# KiCad board hall effect keyboard.kicad_pcb (continued)
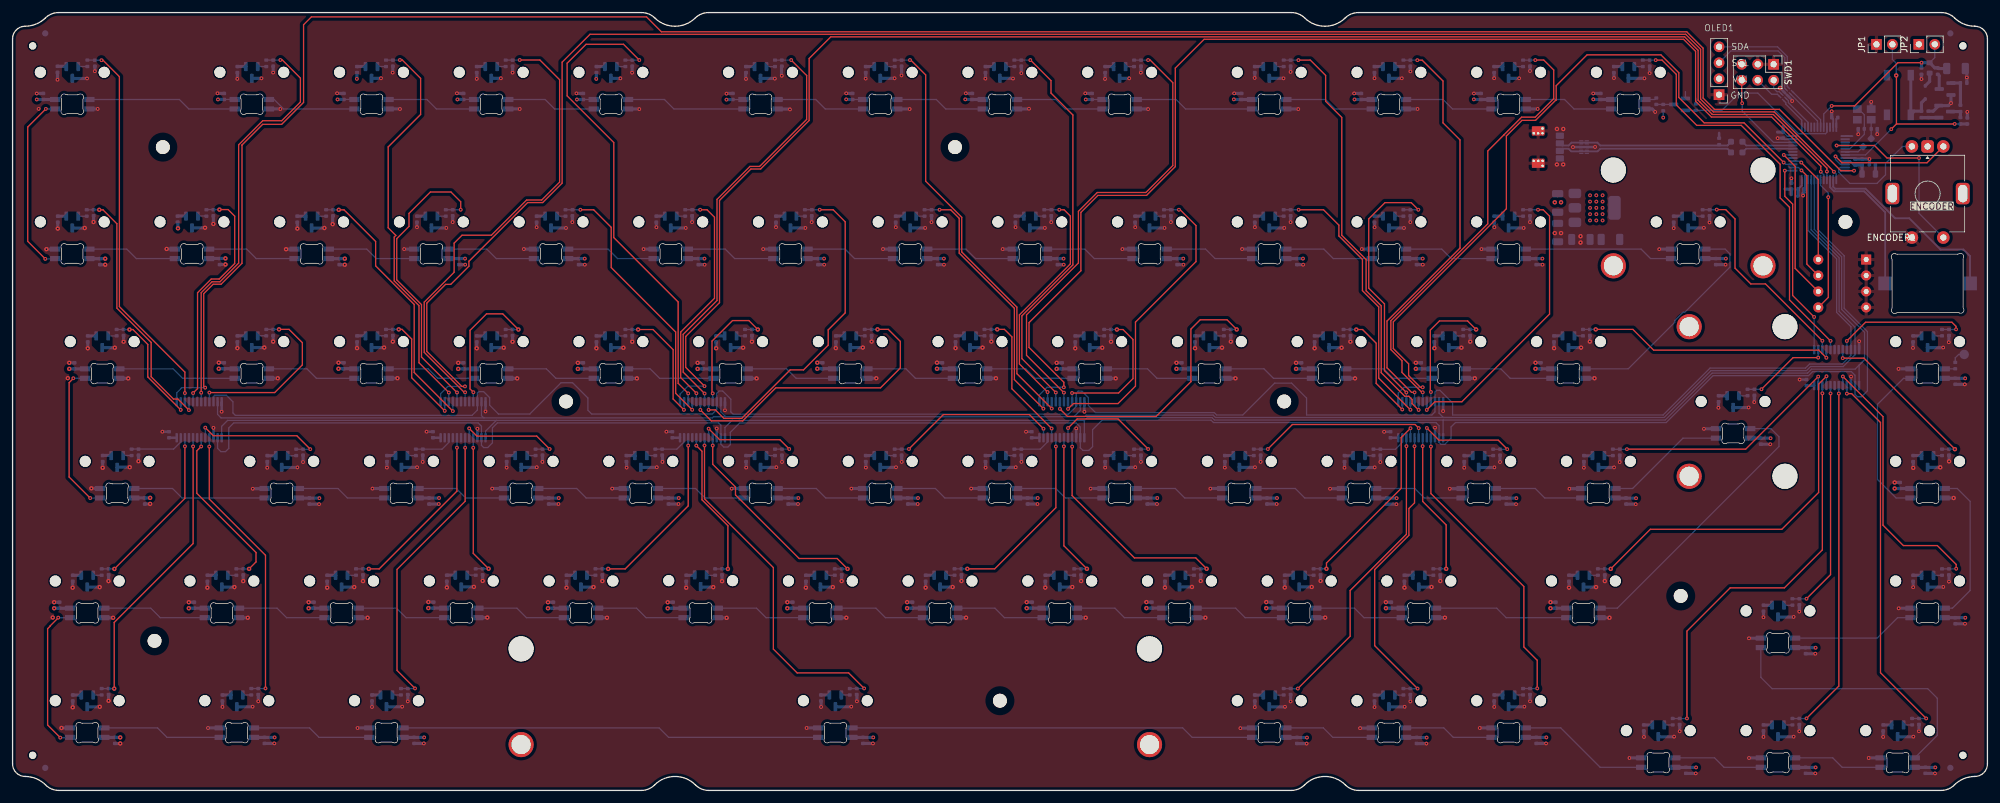
[diagram p0: board, top side]
## Nets (continued)
/multiplexers/keys/KEYS_1_6: C40.1 R20.2 U7.8
/multiplexers/keys/KEYS_1_7: C42.1 R21.2 U8.2
/multiplexers/keys/KEYS_1_8: C44.1 R22.2 U8.3
/multiplexers/keys/KEYS_1_9: C46.1 R23.2 U8.8
/multiplexers/keys/KEYS_1_10: C48.1 R24.2 U9.4
/multiplexers/keys/KEYS_1_11: C50.1 R25.2 U9.3
/multiplexers/keys/KEYS_1_12: C52.1 R26.2 U9.8
/multiplexers/keys/KEYS_1_13: C54.1 R27.2 U10.3
/multiplexers/keys/KEYS_2_0: C56.1 R28.2 U5.2
/multiplexers/keys/KEYS_2_1: C58.1 R29.2 U5.9
/multiplexers/keys/KEYS_2_2: C60.1 R30.2 U6.2
/multiplexers/keys/KEYS_2_3: C62.1 R31.2 U6.9
/multiplexers/keys/KEYS_2_4: C64.1 R32.2 U7.2
/multiplexers/keys/KEYS_2_5: C66.1 R33.2 U7.9
/multiplexers/keys/KEYS_2_6: C68.1 R34.2 U7.6
/multiplexers/keys/KEYS_2_7: C70.1 R35.2 U8.21
/multiplexers/keys/KEYS_2_8: C72.1 R36.2 U8.9
/multiplexers/keys/KEYS_2_9: C74.1 R37.2 U8.6
/multiplexers/keys/KEYS_2_10: C76.1 R38.2 U9.2
/multiplexers/keys/KEYS_2_11: C78.1 R39.2 U9.9
/multiplexers/keys/KEYS_2_12: C80.1 R40.2 U10.4
/multiplexers/keys/KEYS_2_13: C82.1 R41.2 U10.2
/multiplexers/keys/KEYS_2_14: C84.1 R42.2 U10.9
/multiplexers/keys/KEYS_3_0: C86.1 R43.2 U5.23
/multiplexers/keys/KEYS_3_1: C88.1 R44.2 U5.17
/multiplexers/keys/KEYS_3_2: C90.1 R45.2 U6.22
/multiplexers/keys/KEYS_3_3: C92.1 R46.2 U6.17
/multiplexers/keys/KEYS_3_4: C94.1 R47.2 U7.23
/multiplexers/keys/KEYS_3_5: C96.1 R48.2 U7.17
/multiplexers/keys/KEYS_3_6: C98.1 R49.2 U8.23
/multiplexers/keys/KEYS_3_7: C100.1 R50.2 U8.22
/multiplexers/keys/KEYS_3_8: C102.1 R51.2 U8.17
/multiplexers/keys/KEYS_3_9: C104.1 R52.2 U9.19
/multiplexers/keys/KEYS_3_10: C106.1 R53.2 U9.23
/multiplexers/keys/KEYS_3_11: C108.1 R54.2 U9.17
/multiplexers/keys/KEYS_3_12: C110.1 R55.2 U10.23
/multiplexers/keys/KEYS_3_13: C112.1 R56.2 U10.8
/multiplexers/keys/KEYS_4_0: C114.1 R57.2 U5.22
/multiplexers/keys/KEYS_4_1: C116.1 R58.2 U5.18
/multiplexers/keys/KEYS_4_2: C118.1 R59.2 U6.20
/multiplexers/keys/KEYS_4_3: C120.1 R60.2 U6.16
/multiplexers/keys/KEYS_4_4: C122.1 R61.2 U7.22
/multiplexers/keys/KEYS_4_5: C124.1 R62.2 U7.20
/multiplexers/keys/KEYS_4_6: C126.1 R63.2 U7.16
/multiplexers/keys/KEYS_4_7: C128.1 R64.2 U8.20
/multiplexers/keys/KEYS_4_8: C130.1 R65.2 U8.18
/multiplexers/keys/KEYS_4_9: C132.1 R66.2 U8.16
/multiplexers/keys/KEYS_4_10: C134.1 R67.2 U9.21
/multiplexers/keys/KEYS_4_11: C136.1 R68.2 U9.18
/multiplexers/keys/KEYS_4_12: C138.1 R69.2 U10.21
/multiplexers/keys/KEYS_4_13: C140.1 R70.2 U10.17
/multiplexers/keys/KEYS_4_14: C142.1 R71.2 U10.20
/multiplexers/keys/KEYS_5_0: C144.1 R72.2 U5.20
/multiplexers/keys/KEYS_5_1: C146.1 R73.2 U5.16
/multiplexers/keys/KEYS_5_2: C148.1 R74.2 U6.18
/multiplexers/keys/KEYS_5_3: C150.1 R75.2 U7.18
/multiplexers/keys/KEYS_5_4: C152.1 R76.2 U9.22
/multiplexers/keys/KEYS_5_5: C154.1 R77.2 U9.20
/multiplexers/keys/KEYS_5_6: C156.1 R78.2 U9.16
/multiplexers/keys/KEYS_5_7: C158.1 R79.2 U10.22
/multiplexers/keys/KEYS_5_8: C160.1 R80.2 U10.18
/multiplexers/keys/KEYS_5_9: C162.1 R81.2 U10.16
/OSC_IN: C172.1 U1.5 Y1.1
/OSC_OUT: R87.2 U1.6
/out_esr: C170.2 R83.1
/reset/switch: D1.2 R93.2 SW1.2
/rgb_led/RGB_DATA_IN: LED1.4 R97.2
/rgb_led/sk6812mini-e1/Dout: LED2.2 LED3.4
/rgb_led/sk6812mini-e2/Dout: LED3.2 LED4.4
/rgb_led/sk6812mini-e3/Dout: LED4.2 LED5.4
/rgb_led/sk6812mini-e4/Dout: LED5.2 LED6.4
/rgb_led/sk6812mini-e5/Dout: LED6.2 LED7.4
/rgb_led/sk6812mini-e6/Dout: LED7.2 LED8.4
/rgb_led/sk6812mini-e7/Dout: LED8.2 LED9.4
/rgb_led/sk6812mini-e8/Dout: LED9.2 LED10.4
/rgb_led/sk6812mini-e10/Din: LED10.2 LED11.4
/rgb_led/sk6812mini-e10/Dout: LED11.2 LED12.4
/rgb_led/sk6812mini-e11/Dout: LED12.2 LED13.4
/rgb_led/sk6812mini-e13/Dout: LED28.2 LED29.4
/rgb_led/sk6812mini-e14/Dout: LED29.2 LED30.4
/rgb_led/sk6812mini-e15/Dout: LED30.2 LED31.4
/rgb_led/sk6812mini-e16/Dout: LED31.2 LED32.4
/rgb_led/sk6812mini-e17/Dout: LED32.2 LED33.4
/rgb_led/sk6812mini-e18/Dout: LED33.2 LED34.4
/rgb_led/sk6812mini-e19/Dout: LED34.2 LED35.4
/rgb_led/sk6812mini-e20/Dout: LED35.2 LED36.4
/rgb_led/sk6812mini-e21/Dout: LED36.2 LED37.4
/rgb_led/sk6812mini-e22/Dout: LED37.2 LED38.4
/rgb_led/sk6812mini-e23/Dout: LED38.2 LED39.4
/rgb_led/sk6812mini-e24/Dout: LED39.2 LED40.4
/rgb_led/sk6812mini-e27/Dout: LED55.2 LED56.4
/rgb_led/sk6812mini-e28/Dout: LED56.2 LED57.4
/rgb_led/sk6812mini-e29/Dout: LED57.2 LED58.4
/rgb_led/sk6812mini-e30/Dout: LED58.2 LED59.4
/rgb_led/sk6812mini-e31/Dout: LED59.2 LED60.4
/rgb_led/sk6812mini-e32/Dout: LED60.2 LED61.4
/rgb_led/sk6812mini-e33/Dout: LED61.2 LED62.4
/rgb_led/sk6812mini-e34/Dout: LED62.2 LED63.4
/rgb_led/sk6812mini-e35/Dout: LED63.2 LED64.4
/rgb_led/sk6812mini-e36/Dout: LED64.2 LED65.4
/rgb_led/sk6812mini-e37/Dout: LED65.2 LED66.4
/rgb_led/sk6812mini-e38/Dout: LED66.2 LED67.4
/rgb_led/sk6812mini-e-rot1/Dout: LED15.2 LED16.4
/rgb_led/sk6812mini-e-rot2/Dout: LED16.2 LED17.4
/rgb_led/sk6812mini-e-rot3/Dout: LED17.2 LED18.4
/rgb_led/sk6812mini-e-rot4/Dout: LED18.2 LED19.4
/rgb_led/sk6812mini-e-rot5/Dout: LED19.2 LED20.4
/rgb_led/sk6812mini-e-rot6/Dout: LED20.2 LED21.4
/rgb_led/sk6812mini-e-rot7/Dout: LED21.2 LED22.4
/rgb_led/sk6812mini-e-rot8/Dout: LED22.2 LED23.4
/rgb_led/sk6812mini-e-rot10/Din: LED23.2 LED24.4
/rgb_led/sk6812mini-e-rot10/Dout: LED24.2 LED25.4
/rgb_led/sk6812mini-e-rot11/Dout: LED25.2 LED26.4
/rgb_led/sk6812mini-e-rot12/Dout: LED26.2 LED27.4
/rgb_led/sk6812mini-e-rot13/Dout: LED27.2 LED28.4
/rgb_led/sk6812mini-e-rot14/Din: LED41.2 LED42.4
/rgb_led/sk6812mini-e-rot14/Dout: LED42.2 LED43.4
/rgb_led/sk6812mini-e-rot15/Dout: LED43.2 LED44.4
/rgb_led/sk6812mini-e-rot16/Dout: LED44.2 LED45.4
/rgb_led/sk6812mini-e-rot17/Dout: LED45.2 LED46.4
/rgb_led/sk6812mini-e-rot18/Dout: LED46.2 LED47.4
/rgb_led/sk6812mini-e-rot19/Dout: LED47.2 LED48.4
/rgb_led/sk6812mini-e-rot20/Dout: LED48.2 LED49.4
/rgb_led/sk6812mini-e-rot21/Dout: LED49.2 LED50.4
/rgb_led/sk6812mini-e-rot22/Dout: LED50.2 LED51.4
/rgb_led/sk6812mini-e-rot23/Dout: LED51.2 LED52.4
/rgb_led/sk6812mini-e-rot24/Dout: LED52.2 LED53.4
/rgb_led/sk6812mini-e-rot25/Dout: LED53.2 LED54.4
/rgb_led/sk6812mini-e-rot26/Dout: LED54.2 LED55.4
/rgb_led/sk6812mini-e-rot27/Din: LED67.2 LED68.4
/rgb_led/sk6812mini-e-rot27/Dout: LED68.2 LED69.4
/rgb_led/sk6812mini-e-rot28/Dout: LED69.2 LED70.4
/rgb_led/sk6812mini-e-rot29/Dout: LED70.2 LED71.4
/rgb_led/sk6812mini-e-rot30/Dout: LED71.2 LED72.4
/rgb_led/sk6812mini-e-rot31/Dout: LED72.2 LED73.4
/rgb_led/sk6812mini-e-rot32/Dout: LED73.2 LED74.4
/rgb_led/sk6812mini-e-rot33/Dout: LED74.2 LED75.4
/rgb_led/sk6812mini-e-rot34/Dout: LED75.2 LED76.4
/rgb_led/sk6812mini-e-rot35/Dout: LED76.2 LED77.4
/rgb_led/sk6812mini-e-rot36/Dout: LED77.2 LED78.4
/rgb_led/sk6812mini-e-rot37/Dout: LED78.2 LED79.4
/rgb_led/sk6812mini-e-rot38/Din: LED40.2 LED41.4
/rgb_led/sk6812mini-e-rot39/Dout: LED79.2 LED80.4
/rgb_led/sk6812mini-e-rot40/Din: LED80.2 LED81.4
/rgb_led/sk6812mini-e-rot40/Dout: LED81.2 R96.2
/rgb_led/sk6812mini-e-rot/Din: LED13.2 LED14.4
/rgb_led/sk6812mini-e-rot/Dout: LED14.2 LED15.4
/rgb_led/sk6812mini-e/Dout: LED1.2 LED2.4
/S0: U1.22 U5.10 U6.10 U7.10 U8.10 U9.10 U10.10
/S1: U1.21 U5.11 U6.11 U7.11 U8.11 U9.11 U10.11
/S2: U1.19 U5.14 U6.14 U7.14 U8.14 U9.14 U10.14
/S3: U1.20 U5.13 U6.13 U7.13 U8.13 U9.13 U10.13
/SW_DIP_0: SW2.8 U1.28
/SW_DIP_1: SW2.7 U1.26
/SW_DIP_2: SW2.6 U1.30
/SW_DIP_3: SW2.5 U1.18
/SWCLK: SWD1.4 U1.37 U3.1 U3.10
/SWDIO: SWD1.6 U1.34
/SWO: SWD1.2 U1.39 U3.2 U3.9
/TIM8_CH1: Q1.2 R99.1 U1.45
/UDB_D+: R84.1 R86.1 U4.1 U4.2 U4.9 U4.10 USB1.3
/UDB_D-: R85.1 U4.4 U4.5 U4.6 U4.7 USB1.2
/USB_D+: R86.2 U1.33
/USB_D-: R85.2 U1.32
/~{RESET}: C174.1 JP1.2 R95.1 U1.7
Net-(C171-Pad1): C171.1 R87.1 Y1.3
Net-(D1-K): D1.1 R88.1
Net-(HALL1-VOUT): HALL1.3 R1.1
Net-(HALL2-VOUT): HALL2.3 R2.1
Net-(HALL3-VOUT): HALL3.3 R3.1
Net-(HALL4-VOUT): HALL4.3 R4.1
Net-(HALL5-VOUT): HALL5.3 R5.1
Net-(HALL6-VOUT): HALL6.3 R6.1
Net-(HALL7-VOUT): HALL7.3 R7.1
Net-(HALL8-VOUT): HALL8.3 R8.1
Net-(HALL9-VOUT): HALL9.3 R9.1
Net-(HALL10-VOUT): HALL10.3 R10.1
Net-(HALL11-VOUT): HALL11.3 R11.1
Net-(HALL12-VOUT): HALL12.3 R12.1
Net-(HALL13-VOUT): HALL13.3 R13.1
Net-(HALL14-VOUT): HALL14.3 R14.1
Net-(HALL15-VOUT): HALL15.3 R15.1
Net-(HALL16-VOUT): HALL16.3 R16.1
Net-(HALL17-VOUT): HALL17.3 R17.1
Net-(HALL18-VOUT): HALL18.3 R18.1
Net-(HALL19-VOUT): HALL19.3 R19.1
Net-(HALL20-VOUT): HALL20.3 R20.1
Net-(HALL21-VOUT): HALL21.3 R21.1
Net-(HALL22-VOUT): HALL22.3 R22.1
Net-(HALL23-VOUT): HALL23.3 R23.1
Net-(HALL24-VOUT): HALL24.3 R24.1
Net-(HALL25-VOUT): HALL25.3 R25.1
Net-(HALL26-VOUT): HALL26.3 R26.1
Net-(HALL27-VOUT): HALL27.3 R27.1
Net-(HALL28-VOUT): HALL28.3 R28.1
Net-(HALL29-VOUT): HALL29.3 R29.1
Net-(HALL30-VOUT): HALL30.3 R30.1
Net-(HALL31-VOUT): HALL31.3 R31.1
Net-(HALL32-VOUT): HALL32.3 R32.1
Net-(HALL33-VOUT): HALL33.3 R33.1
Net-(HALL34-VOUT): HALL34.3 R34.1
Net-(HALL35-VOUT): HALL35.3 R35.1
Net-(HALL36-VOUT): HALL36.3 R36.1
Net-(HALL37-VOUT): HALL37.3 R37.1
Net-(HALL38-VOUT): HALL38.3 R38.1
Net-(HALL39-VOUT): HALL39.3 R39.1
Net-(HALL40-VOUT): HALL40.3 R40.1
Net-(HALL41-VOUT): HALL41.3 R41.1
Net-(HALL42-VOUT): HALL42.3 R42.1
Net-(HALL43-VOUT): HALL43.3 R43.1
Net-(HALL44-VOUT): HALL44.3 R44.1
Net-(HALL45-VOUT): HALL45.3 R45.1
Net-(HALL46-VOUT): HALL46.3 R46.1
Net-(HALL47-VOUT): HALL47.3 R47.1
Net-(HALL48-VOUT): HALL48.3 R48.1
Net-(HALL49-VOUT): HALL49.3 R49.1
Net-(HALL50-VOUT): HALL50.3 R50.1
Net-(HALL51-VOUT): HALL51.3 R51.1
Net-(HALL52-VOUT): HALL52.3 R52.1
Net-(HALL53-VOUT): HALL53.3 R53.1
Net-(HALL54-VOUT): HALL54.3 R54.1
Net-(HALL55-VOUT): HALL55.3 R55.1
Net-(HALL56-VOUT): HALL56.3 R56.1
Net-(HALL57-VOUT): HALL57.3 R57.1
Net-(HALL58-VOUT): HALL58.3 R58.1
Net-(HALL59-VOUT): HALL59.3 R59.1
Net-(HALL60-VOUT): HALL60.3 R60.1
Net-(HALL61-VOUT): HALL61.3 R61.1
Net-(HALL62-VOUT): HALL62.3 R62.1
Net-(HALL63-VOUT): HALL63.3 R63.1
Net-(HALL64-VOUT): HALL64.3 R64.1
Net-(HALL65-VOUT): HALL65.3 R65.1
Net-(HALL66-VOUT): HALL66.3 R66.1
Net-(HALL67-VOUT): HALL67.3 R67.1
Net-(HALL68-VOUT): HALL68.3 R68.1
Net-(HALL69-VOUT): HALL69.3 R69.1
Net-(HALL70-VOUT): HALL70.3 R70.1
Net-(HALL71-VOUT): HALL71.3 R71.1
Net-(HALL72-VOUT): HALL72.3 R72.1
Net-(HALL73-VOUT): HALL73.3 R73.1
Net-(HALL74-VOUT): HALL74.3 R74.1
Net-(HALL75-VOUT): HALL75.3 R75.1
Net-(HALL76-VOUT): HALL76.3 R76.1
Net-(HALL77-VOUT): HALL77.3 R77.1
Net-(HALL78-VOUT): HALL78.3 R78.1
Net-(HALL79-VOUT): HALL79.3 R79.1
Net-(HALL80-VOUT): HALL80.3 R80.1
Net-(HALL81-VOUT): HALL81.3 R81.1
Net-(Q1-D): Q1.3 R97.1 R98.1
Net-(Q2-D): Q2.3 R90.2
Net-(Q2-G): Q2.1 R91.1 R92.1
Net-(Q3-D): Q3.3 R92.2 R95.2
Net-(Q3-G): Q3.1 R93.1 R94.1
Net-(R96-Pad1): R96.1 TP1.1

Pads without a net: ENCODER1 MP; U1 2 3 29 31 38 40 41 46; U5 6 8 19 21; U6 6 8 19 21 23; U7 19 21; U8 19; U10 6 7 19

## Via types
v1: diameter 0.6, hole 0.3, Top to Bottom, 495 vias
v2: diameter 0.7, hole 0.3, Top to Bottom, 237 vias

## Routing (per net, layer and track width the routed paths; a pad name or vN(x,y) marks a point on that pad's centre or on a via; arc(x,y) is an arc through that point)
+3V3: length 135.4
  Bottom w0.2: U1.36 282.43,104.14 C176.1 ; R99.2 267.9,110.19 ; Q1.1 266.24,111.21 ; 285.5,64.43 C168.1 ; 8.52,115.25 8.58,115.18
  Bottom w0.3: U1.48 290.25,106.86 C177.1 ; U1.1 292.81,104.14 ; C175.1 284.75,96.28 U1.24
  Bottom w0.4: U7.24 C165.1 ; U9.24 C167.1 ; R84.2 271.6,104.64 ; U8.24 C166.1 ; U10.24 285.5,64.43 ; U5.24 C163.1 ; U6.24 C164.1
  Bottom w0.5: 137.16,53.29 135.81,53.29 ; 232.38,53.27 231.03,53.27 ; 46.67,91.38 45.32,91.38 ; 156.21,53.29 154.86,53.29 ; 208.56,72.33 207.21,72.33 ; 303.84,53.3 302.49,53.3 ; 260.98,10.42 259.63,10.42 ; 15.69,53.31 14.34,53.31 ; C175.1 284.16,94.63 284.08,94.55 ; 70.47,34.27 69.12,34.27 ; 75.22,72.33 73.87,72.33 ; 246.68,72.35 245.32,72.35 ; 108.56,34.23 107.21,34.23 ; 213.33,53.27 211.98,53.27 ; 92.91,114.25 92.91,113.26 ; 56.16,115.22 54.81,115.22 ; 151.42,72.36 150.07,72.36 ; 222.87,34.25 221.52,34.25 ; 122.84,91.39 121.49,91.39 ; 303.83,34.24 302.48,34.24 ; 130.03,15.19 128.68,15.19 ; HALL13.1 C25.1 ; 283.1,94.83 C178.1 282.08,95.69 ; 94.27,72.33 92.92,72.33 ; 10.91,34.23 9.57,34.23 ; HALL17.1 C33.1 ; 237.16,15.19 235.81,15.19 ; 27.67,91.42 26.33,91.42 ; 175.23,53.29 173.88,53.29 ; 165.7,34.25 164.35,34.25 ; 251.43,53.27 250.08,53.27 ; 89.51,34.24 88.16,34.24 ; 8.54,91.38 7.19,91.38 ; 160.96,91.39 159.61,91.39 ; C23.1 HALL12.1 ; 10.93,15.18 9.58,15.18 ; 203.82,34.26 202.47,34.26 ; 94.26,115.21 92.91,115.21 ; 56.17,72.36 54.82,72.36 ; 199.06,15.17 197.71,15.17 ; 218.11,15.17 216.76,15.17 ; 127.6,34.24 126.25,34.24 ; 113.32,72.33 111.97,72.33 ; 180.01,91.39 178.66,91.39 ; 84.75,91.39 83.4,91.39 ; 103.81,91.39 102.46,91.39 ; HALL7.1 C13.1 ; 280.89,104.77 C176.1 281.8,105.72 ; C181.1 FB1.2 ; 199.05,115.21 C19.1 ; 272.84,62.81 271.49,62.81 ; 280.01,10.42 278.66,10.42 ; 34.76,15.19 33.41,15.19 ; 75.24,115.22 73.89,115.22 ; 218.1,115.21 C21.1 ; 54.81,114.26 54.81,113.27 ; 41.88,53.27 40.53,53.27 ; 37.13,115.22 35.78,115.22 ; 199.06,91.39 197.71,91.39 ; 99.08,53.29 97.73,53.29 ; 60.93,53.29 59.58,53.29 ; 132.37,72.36 131.02,72.36 ; 118.11,53.29 116.76,53.29 ; 58.56,15.19 57.21,15.19 ; 141.91,91.39 140.56,91.39 ; 13.32,72.33 11.97,72.33 ; 194.28,53.29 192.93,53.29 ; 170.47,72.33 169.12,72.33 ; 37.12,72.36 35.77,72.36 ; 51.42,34.24 50.07,34.24 ; 280.01,29.47 278.66,29.47 ; 303.81,72.34 302.46,72.34 ; 32.35,34.24 31,34.24 ; 218.11,91.39 216.76,91.39 ; HALL9.1 C17.1 ; HALL8.1 C15.1 ; 79.98,53.29 78.63,53.29 ; 237.16,91.39 235.81,91.39 ; 184.75,34.26 183.4,34.26 ; HALL27.1 C53.1 ; 299.06,10.42 297.71,10.42 ; C1.1 8.52,115.25 ; 249.06,34.24 247.71,34.24 ; 26.33,90.46 v2(26.33,89.46) ; 189.54,72.34 188.19,72.34 ; 146.66,34.25 145.31,34.25 ; 227.63,72.34 226.29,72.34 ; 118.02,115.19 116.67,115.19
  vias: v1(54.79,113.25) v1(92.89,113.24) v1(251.05,94.72) v1(251.05,93.72) v1(251.05,92.72) v1(251.05,91.72) v1(251.05,90.72) v1(252.05,94.72) v1(252.05,93.72) v1(252.05,92.72) v1(252.05,91.72) v1(252.05,90.72) v1(253.05,94.72) v1(253.05,93.72) v1(253.05,92.72) v1(253.05,91.72) v1(253.05,90.72)
+5V: length 227.4
  Bottom w0.2: v1(272.67,84.64) 272.67,84.64 ; 194.4,109.97 v1(194.37,109.99) ; 132.7,109.97 v1(132.67,109.99) ; C188.1 LED7.1 ; 213.58,109.97 v1(213.57,109.97) ; 92.48,109.96 90.81,109.96 ; 6.77,109.97 6.77,109.97 ; 151.65,109.97 v1(151.62,109.99) ; 73.47,109.97 71.79,109.97 ; 271.07,84.64 C208.1 ; 35.36,109.97 33.68,109.97 ; R98.2 v1(262.7,107.08) ; LED5.1 C186.1 ; 170.77,109.99 v1(170.8,109.97) ; 114.57,109.95 116.25,109.95 ; 54.39,109.97 52.71,109.97 ; 72.01,84.64 v1(72.01,84.64)
  Bottom w0.5: v2(147.12,67.12) 149.6,67.12 ; v2(47.12,28.99) 49.59,28.99 ; 306,3.66 302.73,3.66 ; 217.01,46.51 220.27,46.51 ; 178.91,46.54 182.17,46.54 ; 194.4,109.97 C185.1 LED4.1 ; v2(142.36,29) 144.83,29 ; 71.79,109.97 v1(70.8,109.97) ; v2(244.76,28.99) 247.24,28.99 ; v2(185.24,67.1) 187.71,67.1 ; 236.06,46.51 239.32,46.51 ; 125.05,46.54 121.78,46.54 ; LED17.1 C198.1 72.01,84.64 ; v2(52.87,84.63) 50.4,84.63 ; 151.65,109.97 C187.1 LED6.1 ; 65.5,8.44 62.23,8.44 ; v2(223.34,67.1) 225.81,67.1 ; v2(166.17,67.09) 168.64,67.09 ; 283.68,22.71 286.95,22.71 ; 272.67,84.64 C208.1 ; 45.56,46.51 48.82,46.51 ; v2(32.82,67.12) 35.3,67.12 ; 202.73,8.41 206,8.41 ; 125.77,28.99 v2(123.3,28.99) ; 186.31,84.64 183.68,84.64 ; 129.14,84.64 126.51,84.64 ; LED27.1 271.07,84.64 ; 111.49,67.09 v2(109.02,67.09) ; 148.21,84.64 145.58,84.64 ; 68.64,29.02 v2(66.17,29.02) ; 240.83,84.64 243.47,84.64 ; C186.1 v1(170.8,109.97) ; 64.61,46.54 67.87,46.54 ; 52.71,109.97 v1(51.72,109.97) ; 102.76,46.54 106.02,46.54 ; v2(17.13,8.43) 14.66,8.43 ; 86.92,46.54 83.66,46.54 ; 144.1,46.54 140.83,46.54 ; LED3.1 C184.1 213.58,109.97 ; 130.55,67.12 v2(128.07,67.12) ; 286.95,3.66 283.68,3.66 ; 133.71,8.44 136.97,8.44 ; 240.83,8.44 244.1,8.44 ; 201.22,46.54 197.96,46.54 ; 302.02,48.05 v2(299.54,48.05) ; v2(104.26,28.98) 106.73,28.98 ; 307.48,65.59 310.75,65.59 ; 264.66,3.66 267.92,3.66 ; LED1.1 C182.1 251.6,109.97 v1(251.57,109.99) ; v2(51.87,67.12) 54.34,67.12 ; 164.63,84.64 167.26,84.64 ; 91.05,84.64 88.42,84.64 ; 11.5,67.09 v2(9.02,67.09) ; 114.57,109.95 113.58,109.95 ; LED2.1 C183.1 232.6,109.97 v1(232.57,109.99) ; v2(70.92,67.09) 73.39,67.09 ; v2(89.97,67.09) 92.45,67.09 ; 205.37,84.64 202.73,84.64 ; 107.48,84.64 110.11,84.64 ; v2(204.26,67.09) 206.74,67.09 ; 244.85,67.11 v2(242.38,67.11) ; v2(85.21,28.99) 87.68,28.99 ; 258.37,46.51 255.11,46.51 ; 221.78,8.41 225.05,8.41 ; v2(180.45,29.01) 182.93,29.01 ; 163.15,46.54 159.88,46.54 ; v2(28.05,28.99) 30.53,28.99 ; 12.27,84.63 v2(14.74,84.63) ; 90.81,109.96 v1(89.82,109.96) ; 279.78,56.05 276.52,56.05 ; 202,29.01 v2(199.52,29.01) ; 9.09,28.99 v2(6.62,28.99) ; 6.77,109.97 C194.1 v1(3.85,109.97) ; 221.05,29 v2(218.57,29) ; v2(33.88,84.67) 31.4,84.67 ; C188.1 132.7,109.97 ; 163.88,29 v2(161.4,29) ; 224.42,84.64 221.78,84.64 ; 310.77,27.49 307.51,27.49 ; 41.7,8.44 38.43,8.44 ; 19.41,46.56 v2(21.89,46.56) ; 33.68,109.97 v1(32.69,109.97)
  vias: v1(41.7,8.44) v1(48.83,46.51) v1(65.5,8.44) v1(67.88,46.54) v1(86.93,46.54) v1(91.06,84.64) v1(106.03,46.54) v1(110.12,84.64) v1(113.62,109.94) v1(125.05,46.54) v1(129.15,84.64) v1(136.98,8.44) v1(144.1,46.54) v1(148.22,84.64) v1(163.15,46.54) v1(167.27,84.64) v1(182.18,46.54) v1(186.32,84.64) v1(201.23,46.54) v1(205.37,84.64) v1(206,8.41) v1(220.28,46.51) v1(224.42,84.64) v1(225.05,8.41) v1(239.33,46.51) v1(243.47,84.64) v1(244.1,8.44) v1(258.38,46.51) v1(267.93,3.66) v1(279.79,56.05) v1(286.95,22.71) v1(286.95,3.66) v1(306,3.66) v1(310.75,65.59) v1(310.78,27.49) v2(245.44,93.6) v2(246.44,93.6)
GND: length 675.9
  Top w0.2: v1(62.32,86.16) 62.4,86.24
  In1.Cu w0.5: 303.92,105.19 304.85,104.27 304.85,102.54 ; 291.77,83.94 292.37,84.54 295.07,84.54 ; 295.07,76.92 292.65,76.92 ; 292.27,81.64 292.63,82 295.07,82 ; 271.66,110.78 271.66,108.93 271.42,108.69 ; 277.81,115.62 277.81,117.41 276.97,118.24 ; 292.17,78.94 292.69,79.46 295.07,79.46 ; 302.35,88.04 302.35,89.97 301.47,90.84 ; 296.71,118.79 296.71,116.48 296.17,115.94 ; 280.35,115.62 280.35,117.37 279.57,118.14
  In2.Cu w0.5: 304.85,102.54 304.85,104.07 303.97,104.94 ; 295.07,76.92 291.95,76.92 291.67,76.64 ; 295.07,79.46 292.39,79.46 291.87,78.94 ; 276.47,118.64 277.81,117.31 277.81,115.62 ; 271.66,110.78 271.66,109.03 270.97,108.34 ; 296.71,118.79 296.71,116.58 295.57,115.44 ; 295.07,84.54 292.57,84.54 292.17,84.14 ; 279.27,118.74 280.35,117.67 280.35,115.62 ; 291.77,81.44 292.33,82 295.07,82 ; 302.35,88.04 302.35,90.37 301.37,91.34
  Bottom w0.2: 170.74,110.93 v1(170.72,110.94) ; 194.44,110.93 v1(194.42,110.94) ; 269.15,89.52 v1(269.17,89.54) ; 73.98,57.56 v1(73.98,57.56) ; 197.7,113.41 v1(197.68,113.39) ; 204.61,108.46 v1(204.62,108.44) ; 293.1,100.64 C179.2 ; 72.03,83.68 v1(72.03,83.68) ; 242.71,108.46 v1(242.72,108.46) ; 251.56,110.93 v1(251.56,110.92) ; 70.05,90.46 v1(70.04,90.45) ; 33.28,60.29 v1(33.27,60.28) ; 75.28,60.32 v1(75.27,60.31) ; 113.65,110.93 v1(113.62,110.89) ; v1(170.58,60.27) 170.58,60.27 ; 254.85,113.39 v1(254.86,113.38) ; 262.08,86.15 v1(262.07,86.14) ; 260.55,114.17 v1(260.54,114.16) ; 104.06,57.09 v1(104.06,57.09) ; 264.38,89.5 v1(264.37,89.49) ; 227.68,60.38 v1(227.67,60.37) ; 132.69,110.93 v1(132.67,110.94) ; 23.85,57.09 v1(23.85,57.09) ; 221.09,113.33 v1(221.1,113.34) ; 159.18,113.33 v1(159.22,113.29) ; U3.3 281.98,111.1 ; 213.52,110.93 v1(213.51,110.93) ; 141.49,113.81 v1(141.47,113.79) ; 177.72,113.34 v1(177.71,113.33) ; 140.36,113.33 v1(140.37,113.34) ; 142.76,108.46 v1(142.77,108.44) ; 11.84,113.31 v1(11.85,113.32) ; 64.35,89.65 v1(64.36,89.64) ; 112.08,57.6 v1(112.07,57.6) ; 235.8,113.36 v1(235.79,113.35) ; 284.41,65.39 v1(284.41,65.39) ; 151.74,110.93 v1(151.72,110.94) ; 62.33,86.15 v1(62.32,86.16) ; 226.38,57.73 v1(226.38,57.73) ; 15.28,33.33 v2(15.27,33.32) ; 160.52,114.14 v1(160.54,114.16) ; 113.38,60.51 v1(113.38,60.5) ; 295.8,109.58 v1(295.8,109.58) ; 169.28,57.62 v1(169.28,57.62) ; 154.84,113.31 v1(154.82,113.29) ; 202.27,113.34 v1(202.26,113.33) ; 259.71,113.33 v1(259.71,113.33) ; 272.61,83.68 v1(272.62,83.69) ; 31.98,57.7 v1(31.97,57.7) ; 180.71,108.46 v1(180.72,108.44) ; 161.73,108.46 v1(161.77,108.49) ; 161.29,57.09 v1(161.29,57.09) ; 311.1,107.98 v1(311.09,107.99) ; 295.52,100.49 v1(295.52,100.49) ; 280.92,103.81 v1(280.91,103.82) ; 232.58,110.93 v1(232.58,110.92) ; 239.76,113.33 v1(239.77,113.34) ; 135.79,113.31 v1(135.77,113.29) ; 222.45,114.45 v1(222.46,114.44) ; 173.89,113.26 v1(173.87,113.24) ; v1(3.85,110.92) 3.86,110.93 ; 270.07,90.4 v1(270.07,90.39) ; 293.88,71.48 v1(293.88,71.48) ; 218.29,57.09 v1(218.28,57.08) ; v1(292.59,65.86) 292.57,65.85 ; 65.89,57.09 v1(65.89,57.09) ; 179.59,114.26 v1(179.57,114.24) ; 13.54,108.46 v1(13.55,108.47) ; 223.6,108.45 v1(223.6,108.46)
  Bottom w0.3: U1.35 281.97,103.64 C176.2 ; 289.52,107.88 C177.2 289.75,106.86 U1.47 ; U1.8 293.1,100.64 ; C175.2 285.25,95.82 U1.23
  Bottom w0.4: U8.15 169.28,57.62 ; C163.2 23.85,57.09 ; U9.15 226.38,57.73 ; C167.2 218.29,57.09 ; C165.2 104.06,57.09 ; v1(251.85,102.41) 251.83,102.39 U4.3 ; 227.68,61.85 227.68,60.38 ; C164.2 65.89,57.09 ; U7.15 112.08,57.6 ; U10.12 293.88,71.48 ; U4.8 v1(248.34,102.39) ; v2(281.29,111.79) 281.98,111.1 ; 292.57,65.85 U10.15 ; C166.2 161.29,57.09 ; 170.58,60.27 170.58,61.85 ; 113.38,61.85 113.38,60.51 ; 33.28,61.85 33.28,60.29 ; v1(283.22,109.72) 283.29,109.79 283.29,109.79 U3.8 ; U6.15 73.98,57.56 ; U5.15 31.98,57.7 ; 75.28,61.85 75.28,60.32 ; C168.2 284.41,65.39
  Bottom w0.5: v2(185.24,68.06) 186.08,68.06 ; 135.81,52.33 135.81,51.39 ; HALL7.2 140.36,113.33 ; 69.12,33.31 v2(69.12,32.31) ; v2(97.22,70.46) 95.22,70.46 ; 254.15,27.48 252.79,27.48 ; C188.2 132.69,110.93 ; 142.86,89.52 v1(145.24,89.52) ; v2(13.88,13.31) 11.88,13.31 ; 161.56,45.58 163.1,45.58 ; 97.31,48.05 95.44,48.05 ; 185.36,83.68 186.33,83.68 ; v1(284.96,94.68) 284.96,95.04 285.12,95.2 C175.2 ; 80.93,51.42 83.41,51.42 ; 204.41,83.68 205.38,83.68 ; C198.2 72.03,83.68 ; v2(32.82,68.08) 33.67,68.08 ; 199.63,45.58 201.17,45.58 ; 238.11,89.52 v1(240.49,89.52) ; v2(142.36,29.96) 143.21,29.96 ; C33.2 64.35,89.65 ; v2(199.52,29.97) 200.37,29.97 ; 249.66,48.02 247.79,48.02 ; v1(261.42,107.98) 260.95,108.46 LED1.3 ; v2(89.97,68.05) 90.82,68.05 ; 99.36,65.58 97.99,65.58 ; 178.66,90.43 178.66,89.65 ; C34.2 70.05,90.46 ; 78.92,108.46 80.71,108.46 ; 207.21,71.37 v2(207.21,70.37) ; v2(47.12,29.95) 47.97,29.95 ; v2(147.12,68.08) 147.97,68.08 ; 256.78,45.55 258.32,45.55 ; C19.2 197.7,113.41 ; 151.75,27.49 150.38,27.49 ; 278.66,28.51 278.66,27.57 ; 57.21,14.23 57.21,13.29 ; 302.49,52.34 v2(302.49,51.34) ; 12.23,108.46 13.54,108.46 ; v2(109.02,68.05) 109.87,68.05 ; v2(16.27,70.46) 14.27,70.46 ; 36.7,34.3 36.7,33.3 ; 271.49,61.85 271.49,60.91 ; 166.31,83.68 167.29,83.68 ; 227.96,27.49 226.6,27.49 ; v2(73.42,32.39) 71.42,32.39 ; 197.71,14.21 197.71,13.27 ; v2(223.34,68.06) 224.19,68.06 ; 159.18,86.15 157.59,86.15 ; v2(70.92,68.05) 71.77,68.05 ; 92.92,71.37 v2(92.92,70.37) ; 55.77,34.3 55.77,33.3 ; 140.13,86.15 138.54,86.15 ; 59.51,13.32 61.98,13.32 ; 183.4,33.3 v2(183.4,32.3) ; C2.2 v1(13.1,114.47) ; HALL8.2 159.18,113.33 ; 208.91,27.5 207.55,27.5 ; 203.41,15.23 203.41,14.17 ; 100.03,51.42 102.51,51.42 ; C18.2 179.59,114.26 ; v2(306.79,51.42) 304.79,51.42 ; v2(49.62,89.51) 47.62,89.51 ; 39.11,15.25 39.11,14.19 ; 242.51,83.68 243.49,83.68 ; v2(154.37,70.48) 152.37,70.48 ; 170.05,34.31 170.05,33.31 ; 89.1,91.45 89.1,90.46 ; v2(78.17,70.46) 76.17,70.46 ; 94.6,27.48 93.23,27.48 ; 203.41,91.45 203.41,90.46 ; 126.25,33.28 v2(126.25,32.28) ; 85.7,89.52 v1(88.08,89.52) ; 76.19,113.34 v1(77.72,113.34) ; 223.46,7.45 225,7.45 ; 37.44,27.48 36.08,27.48 ; 128.19,83.68 129.17,83.68 ; v2(166.17,68.05) 167.02,68.05 ; 118.41,65.58 117.05,65.58 ; 122.46,53.35 122.46,52.29 ; v2(66.17,29.98) 67.02,29.98 ; 178.23,86.15 176.64,86.15 ; 112.91,34.29 112.91,33.29 ; 235.81,14.23 235.81,13.29 ; 273.79,60.93 276.27,60.93 ; 165.31,91.45 165.31,90.46 ; v2(52.87,83.67) 52.02,83.67 ; 251.03,72.41 251.03,71.41 ; 154.86,52.33 154.86,51.39 ; 9.57,33.27 v2(9.57,32.27) ; 93.86,34.3 93.86,33.3 ; 66.28,45.58 67.82,45.58 ; v2(104.26,29.94) 105.11,29.94 ; v2(92.46,32.36) 90.46,32.36 ; C21.2 v1(216.75,113.35) ; v2(7.78,9.94) 9.11,9.94 ; 131.02,71.4 v2(131.02,70.4) ; v2(111.51,32.35) 109.51,32.35 ; 135.38,7.48 136.92,7.48 ; 62.91,15.25 62.91,14.19 ; 173.46,48.05 171.59,48.05 ; 302.48,33.28 302.48,32.34 ; 118.97,113.32 121.25,113.32 ; 131.95,34.3 131.95,33.3 ; 241.51,91.45 241.51,90.46 ; 42.21,65.61 40.84,65.61 ; LED27.3 262.08,86.15 ; v2(211.51,70.46) 209.51,70.46 ; C178.2 v1(283.1,97.43) ; R94.2 305.68,108.11 Q3.2 308.1,108.99 v1(308.5,109.39) Q2.2 ; 35.77,71.4 v2(35.77,70.4) ; 308.18,34.3 308.18,33.24 ; 104.43,45.58 105.97,45.58 ; LED7.3 142.76,108.46 ; C24.2 v1(241.5,114.5) ; 309.16,64.63 310.7,64.63 ; 9.58,14.22 v2(9.58,13.22) ; LED6.3 161.73,108.46 ; 79.57,72.39 79.57,71.39 ; 83.4,90.43 83.4,89.65 ; C183.2 232.58,110.93 ; 195.23,51.42 197.71,51.42 ; 3.86,110.93 C194.2 ; 128.68,14.23 128.68,13.29 ; 284.36,29.53 284.36,28.47 ; 18.41,65.58 17.05,65.58 ; Y1.2 295.8,109.58 ; 103.43,53.35 103.43,52.29 ; 255.78,53.33 255.78,52.27 ; v2(204.26,68.05) 205.12,68.05 ; 309.18,26.53 310.72,26.53 ; 40.81,108.46 42.6,108.46 ; C177.2 v1(289.52,108.09) ; 7.15,114.29 v1(7.15,113.12) ; 73.87,71.37 v2(73.87,70.37) ; 202.47,33.3 v2(202.47,32.3) ; 60.52,72.42 60.52,71.42 ; 236.73,53.33 236.73,52.27 ; 212.92,72.39 212.92,71.39 ; C171.2 v1(296.76,104.45) ; v2(252.01,32.36) 250.01,32.36 ; 160.56,53.35 160.56,52.29 ; 116.33,48.05 114.46,48.05 ; v2(180.45,29.97) 181.3,29.97 ; 79.59,115.28 79.59,114.27 ; 302.03,67.1 300.16,67.1 ; 297.28,5.17 295.41,5.17 ; 107.21,33.27 v2(107.21,32.27) ; 189.1,34.32 189.1,33.32 ; C187.2 151.74,110.93 ; 56.78,9.95 54.91,9.95 ; 226.29,71.38 v2(226.29,70.38) ; v2(14.74,83.67) 13.89,83.67 ; 60.51,115.28 60.51,114.27 ; 146.26,91.45 146.26,90.46 ; 40.11,7.48 41.65,7.48 ; C186.2 170.74,110.93 ; 121.06,86.15 119.47,86.15 ; 142.51,45.58 144.05,45.58 ; C30.2 v2(31.95,90.16) ; 40.11,48.02 38.24,48.02 ; C13.2 135.79,113.31 ; v2(130.55,32.36) 128.55,32.36 ; 217.68,53.33 217.68,52.27 ; 33.41,14.23 33.41,13.29 ; v2(35.3,32.36) 33.3,32.36 ; v2(24.53,86.18) 25.85,86.18 ; 119.06,51.42 121.53,51.42 ; 137.46,65.61 136.1,65.61 ; 303.41,10.48 303.41,9.42 ; C26.2 260.55,114.17 ; 12.89,91.44 12.89,90.44 ; C208.2 272.61,83.68 ; 16,27.48 14.64,27.48 ; 61.88,51.42 64.36,51.42 ; C173.2 311.02,114.65 v1(311.02,113.47) R91.2 ; 308.16,72.4 308.16,71.34 ; 278.23,5.17 276.36,5.17 ; 230.61,48.02 228.74,48.02 ; C16.2 v1(160.54,114.16) ; 98.62,72.39 98.62,71.39 ; 14.34,52.35 v2(14.34,51.35) ; 95.21,113.33 v1(96.74,113.33) ; C23.2 235.8,113.36 ; 164.35,33.29 v2(164.35,32.29) ; 219.06,89.52 v1(221.44,89.52) ; 134.38,15.25 134.38,14.19 ; 15.28,15.24 15.28,14.24 ; HALL11.2 221.09,113.33 ; v2(21.89,45.6) 21.04,45.6 ; 147.26,83.68 148.24,83.68 ; 17.67,72.39 17.67,71.39 ; C182.2 251.56,110.93 ; C185.2 194.44,110.93 ; v2(168.65,32.37) 166.65,32.37 ; 32.98,9.95 31.11,9.95 ; 157.16,51.42 159.63,51.42 ; 78.63,52.33 78.63,51.39 ; 193.88,72.4 193.88,71.4 ; C22.2 222.45,114.45 ; 47.23,45.55 48.77,45.55 ; HALL10.2 v1(202.26,113.33) ; v2(30.62,89.55) 28.62,89.55 ; 169.12,71.37 v2(169.12,70.37) ; C179.2 C180.2 v1(295.52,100.49) ; 253.41,34.3 253.41,33.3 ; C25.2 254.85,113.39 ; 175.56,65.58 174.19,65.58 ; 59.58,52.33 59.58,51.39 ; 211.56,48.02 209.69,48.02 ; v2(116.27,70.46) 114.27,70.46 ; 56.51,27.48 55.14,27.48 ; C172.2 v1(293.74,104.44) ; 116.67,114.23 116.67,113.29 ; 214.28,51.39 216.76,51.39 ; LED4.3 204.61,108.46 ; 232.72,65.59 231.36,65.59 ; 41.47,72.42 41.47,71.42 ; v2(59.12,70.48) 57.12,70.48 ; 159.61,90.43 159.61,89.65 ; v2(33.88,83.71) 33.03,83.71 ; 85.33,45.58 86.87,45.58 ; 155.77,72.42 155.77,71.42 ; 218.68,45.55 220.22,45.55 ; 200.01,89.52 v1(202.39,89.52) ; C189.2 113.65,110.93 ; v2(12.54,48.07) 13.87,48.07 ; 247.71,33.28 v2(247.71,32.28) ; 280.96,8.54 283.43,8.54 ; 54.82,71.4 v2(54.82,70.4) ; 304.41,2.7 305.95,2.7 ; 235.38,9.95 233.51,9.95 ; 57.11,113.34 v1(58.64,113.34) ; v2(17.13,7.47) 16.28,7.47 ; 42.83,51.39 45.31,51.39 ; 231.03,52.31 231.03,51.37 ; 277.19,62.87 277.19,61.81 ; 216.76,14.21 216.76,13.27 ; v2(40.07,70.48) 38.07,70.48 ; 136.72,72.42 136.72,71.42 ; 65.28,53.35 65.28,52.29 ; 174.82,72.39 174.82,71.39 ; 97.93,108.45 99.73,108.45 ; C184.2 213.52,110.93 ; 141.51,53.35 141.51,52.29 ; 63.92,86.15 62.33,86.15 ; 216.33,86.15 214.74,86.15 ; 132.69,27.48 131.32,27.48 ; 271.07,57.56 269.2,57.56 ; 242.51,7.48 244.05,7.48 ; 251.76,65.6 250.4,65.6 ; v2(123.3,29.95) 124.15,29.95 ; 80.31,65.58 78.95,65.58 ; 78.21,48.05 76.34,48.05 ; 231.99,72.4 231.99,71.4 ; v2(5.39,86.14) 6.72,86.14 ; 213.65,65.58 212.29,65.58 ; v2(128.07,68.08) 128.92,68.08 ; 135.38,48.05 133.51,48.05 ; 9.53,113.31 11.84,113.31 ; C114.2 15.28,33.33 ; 59.84,108.46 61.63,108.46 ; 194.62,65.59 193.26,65.59 ; 71.79,110.93 70.74,110.93 ; v2(218.57,29.96) 219.42,29.96 ; 97.73,52.33 97.73,51.39 ; 123.79,89.52 v1(126.17,89.52) ; 111.97,71.37 v2(111.97,70.37) ; 145.31,33.29 v2(145.31,32.29) ; R89.2 v1(303.8,113.22) ; 33.68,110.93 32.63,110.93 ; 211.98,52.31 211.98,51.37 ; 38.08,113.34 v1(39.61,113.34) ; 63.91,7.48 65.45,7.48 ; 84.33,53.35 84.33,52.29 ; 302.46,71.38 302.46,70.44 ; 222.46,91.45 222.46,90.46 ; 197.28,86.15 195.69,86.15 ; 150.07,71.4 v2(150.07,70.4) ; 108.16,91.45 108.16,90.46 ; 261.93,8.54 264.41,8.54 ; v2(54.37,32.36) 52.37,32.36 ; 188.19,71.38 v2(188.19,70.38) ; HALL12.2 239.76,113.33 ; v2(244.76,29.95) 245.61,29.95 ; 216.76,90.43 216.76,89.65 ; 11.97,71.37 v2(11.97,70.37) ; 223.46,83.68 224.44,83.68 ; 265.33,10.48 265.33,9.42 ; 140.56,90.43 140.56,89.65 ; v2(225.82,32.37) 223.82,32.37 ; 235.81,90.43 235.81,89.65 ; 259.63,9.46 259.63,8.52 ; 122.37,115.25 122.37,113.79 ; 35.71,13.32 38.18,13.32 ; v2(242.38,68.07) 243.23,68.07 ; 41.48,115.28 41.48,114.27 ; v2(9.02,68.05) 9.87,68.05 ; HALL17.2 v1(69.03,89.52) ; 117.67,72.39 117.67,71.39 ; 154.43,48.05 152.56,48.05 ; LED3.3 v1(223.6,108.46) ; 90.81,110.92 89.76,110.92 ; 20.04,53.37 20.04,52.37 ; 245.32,71.39 v2(245.32,70.39) ; 102.46,90.43 102.46,89.65 ; HALL13.2 259.71,113.33 ; 278.19,55.09 279.73,55.09 ; C14.2 141.49,113.81 ; 138.11,51.42 140.58,51.42 ; v2(11.49,89.51) 9.49,89.51 ; 73.89,114.26 73.89,113.27 ; v2(18.64,51.44) 16.64,51.44 ; v2(13.87,32.36) 11.87,32.36 ; v2(192.49,70.47) 190.49,70.47 ; 180.58,45.58 182.12,45.58 ; 31,33.28 v2(31,32.28) ; 308.19,53.36 308.19,52.36 ; 45.32,90.42 v2(45.32,89.42) ; 197.71,90.43 197.71,89.65 ; 50.95,91.42 v2(50.95,90.12) ; v2(206.77,32.38) 204.77,32.38 ; HALL27.2 269.15,89.52 ; 61.26,65.61 59.89,65.61 ; 216.33,9.92 214.46,9.92 ; 197.28,9.92 195.41,9.92 ; 300.01,8.54 302.48,8.54 ; 59.16,48.05 57.29,48.05 ; 35.78,114.26 35.78,113.27 ; v2(43.52,86.14) 44.85,86.14 ; v2(230.59,70.47) 228.59,70.47 ; 123.46,45.58 125,45.58 ; 130.98,13.32 133.46,13.32 ; 176.18,51.42 178.66,51.42 ; 75.56,27.51 74.2,27.51 ; 116.76,52.33 116.76,51.39 ; 198.63,53.35 198.63,52.29 ; 173.88,52.33 173.88,51.39 ; 189.84,27.5 188.48,27.5 ; 259.21,5.17 257.34,5.17 ; v2(187.7,32.38) 185.7,32.38 ; 127.19,91.45 127.19,90.46 ; 151.01,34.31 151.01,33.31 ; 102.03,86.15 100.44,86.15 ; 204.41,7.45 205.95,7.45 ; 238.11,13.32 240.58,13.32 ; 109.16,83.68 110.14,83.68 ; C17.2 173.89,113.26 ; 192.93,52.33 192.93,51.39 ; 297.71,9.46 297.71,8.52 ; C53.2 264.38,89.5 ; v2(173.42,70.46) 171.42,70.46 ; 304.76,70.47 307.23,70.47 ; C15.2 154.84,113.31 ; C174.2 311.1,107.98 ; C54.2 270.07,90.4 ; v2(249.62,70.48) 247.62,70.48 ; 52.71,110.93 51.66,110.93 ; 308.93,46.54 307.56,46.54 ; 88.16,33.28 v2(88.16,32.28) ; HALL9.2 v1(177.71,113.33) ; 235.38,86.15 233.79,86.15 ; 40.53,52.31 40.53,51.37 ; 285.36,21.75 286.9,21.75 ; 121.7,108.44 123.64,108.44 ; 278.23,24.22 276.36,24.22 ; 302.06,29 300.19,29 ; 184.36,91.45 184.36,90.46 ; v2(6.62,29.95) 7.47,29.95 ; 237.73,45.55 239.27,45.55 ; 104.76,89.52 v1(107.14,89.52) ; 233.33,51.39 235.81,51.39 ; v2(51.87,68.08) 52.72,68.08 ; 128.26,9.95 126.39,9.95 ; 179.58,53.35 179.58,52.29 ; v2(149.61,32.37) 147.61,32.37 ; 221.52,33.29 v2(221.52,32.29) ; 219.06,13.29 221.53,13.29 ; 266.33,2.7 267.87,2.7 ; LED2.3 242.71,108.46 ; 170.79,27.49 169.43,27.49 ; v2(28.05,29.95) 28.9,29.95 ; 280.96,27.59 283.43,27.59 ; 285.36,2.7 286.9,2.7 ; 250.08,52.31 250.08,51.37 ; 90.1,83.68 91.08,83.68 ; 161.91,89.52 v1(164.29,89.52) ; 98.61,115.27 98.61,114.26 ; C176.2 280.92,103.81 ; 295.52,99.61 295.52,100.49 ; 82.97,86.15 81.38,86.15 ; 227.22,34.31 227.22,33.31 ; 208.17,34.32 208.17,33.32 ; 113.65,27.47 112.29,27.47 ; 241.51,15.25 241.51,14.19 ; 278.66,9.46 278.66,8.52 ; v2(85.21,29.95) 86.06,29.95 ; v2(135.32,70.48) 133.32,70.48 ; v2(161.4,29.96) 162.25,29.96 ; 284.36,10.48 284.36,9.42 ; 156.51,65.61 155.14,65.61 ; 200.01,13.29 202.48,13.29 ; 7.19,90.42 v2(7.19,89.42) ; LED5.3 180.71,108.46 ; 121.49,90.43 121.49,89.65 ; 50.07,33.28 v2(50.07,32.28) ; 252.38,51.39 254.86,51.39 ; 46.23,53.33 46.23,52.27 ; 222.46,15.23 222.46,14.17 ; 180.96,89.52 v1(183.34,89.52) ; 192.51,48.05 190.64,48.05 ; C20.2 v1(203.4,114.35) ; 74.82,34.33 74.82,33.33 ; 304.78,32.37 307.26,32.37 ; v2(299.54,49.01) 300.39,49.01